# Altium PCB PCB3.PcbDoc (part 7 of 9) (continued)
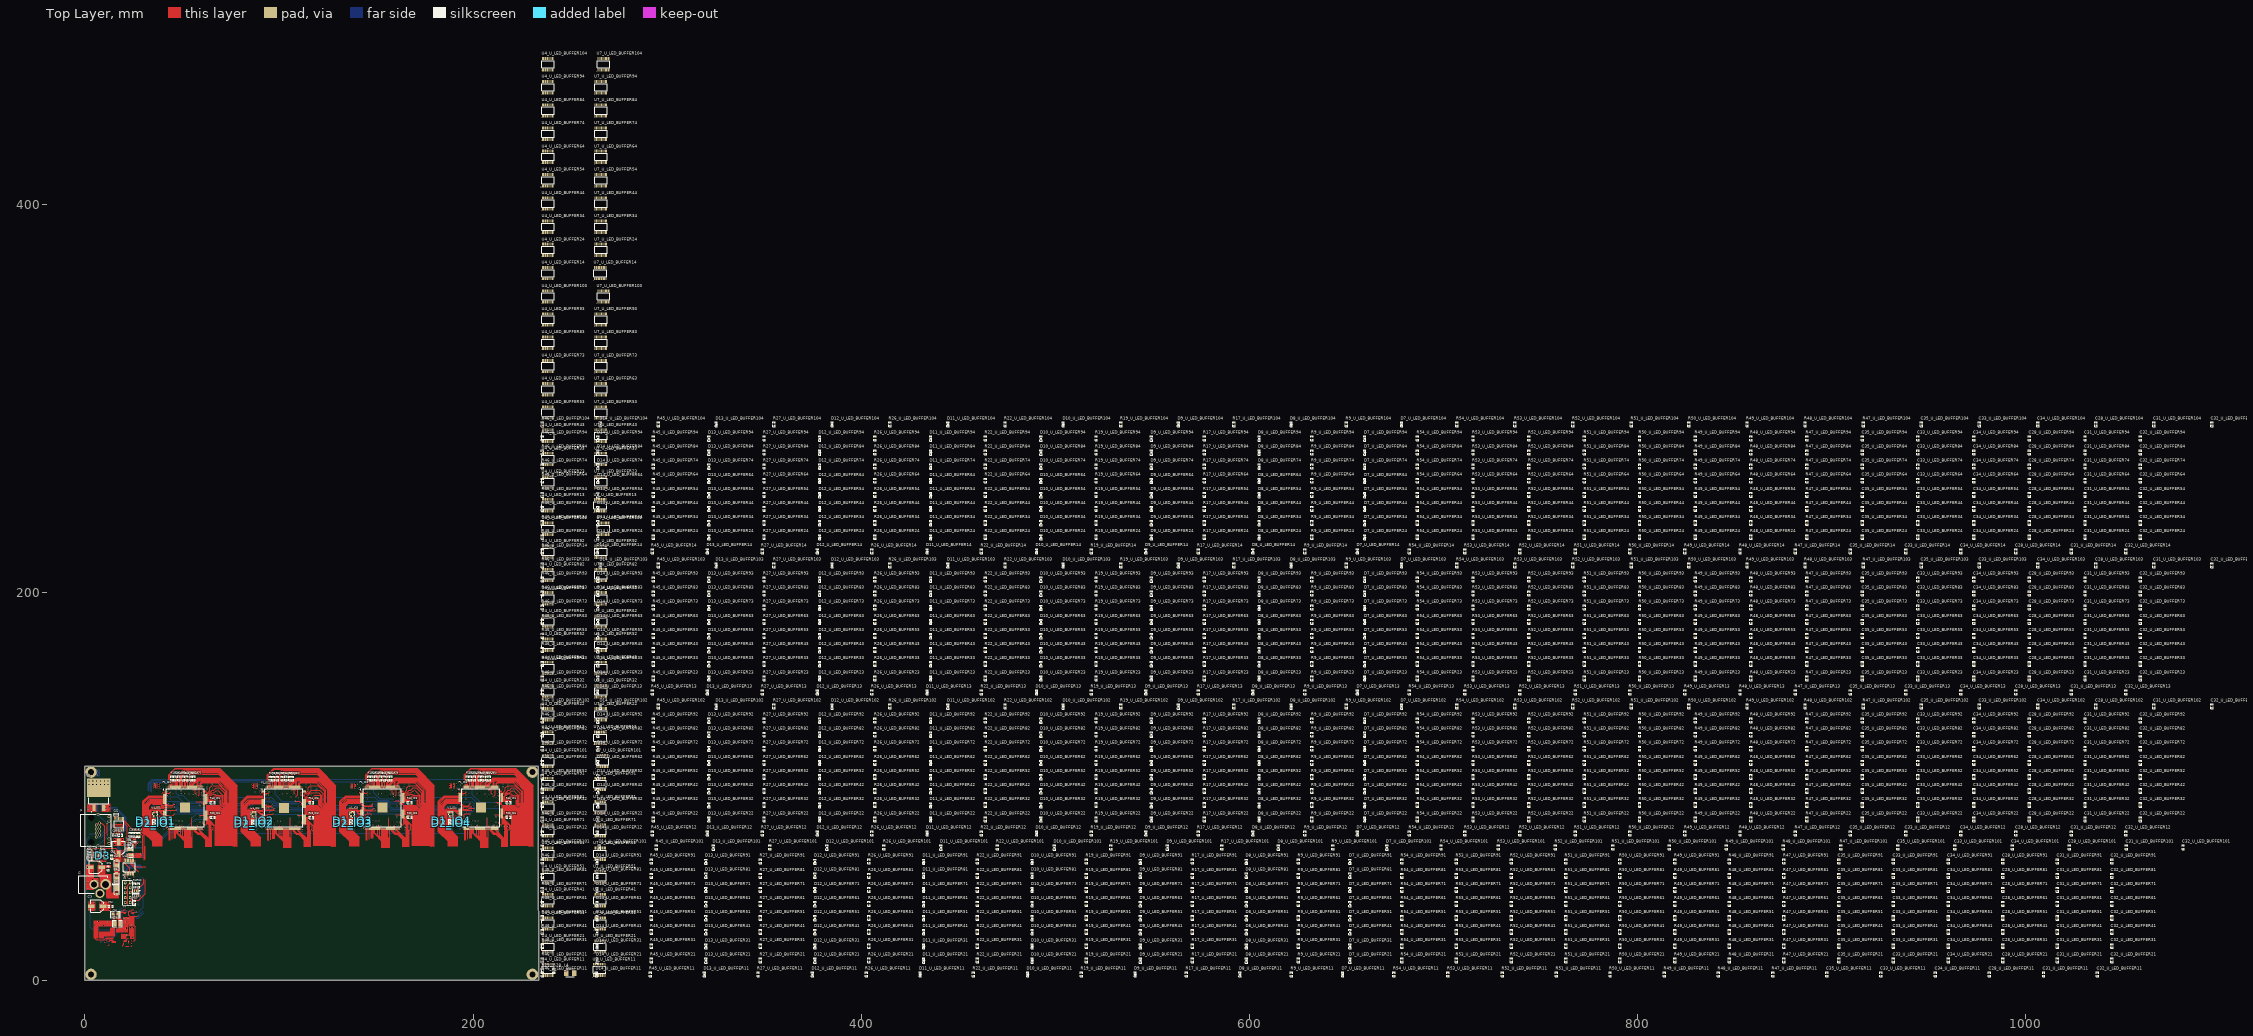
[diagram p0: Top Layer view]
## Nets (pads, with @x,y where several pads share a name; then routed paths per layer and width w, separated by ;. In a path a pad name is that pad's centre, name@x,y a point inside that pad or via, vN(x,y) a via of type N, cw(c..) or ccw(c..) an arc to the next point about the centre after c; other vN are vias at no path point) (continued)
NetD13_U_LED_BUFFER42_2: D13_U_LED_BUFFER42.2 R45_U_LED_BUFFER42.1
NetD13_U_LED_BUFFER43_2: D13_U_LED_BUFFER43.2 R45_U_LED_BUFFER43.1
NetD13_U_LED_BUFFER44_2: D13_U_LED_BUFFER44.2 R45_U_LED_BUFFER44.1
NetD13_U_LED_BUFFER51_2: D13_U_LED_BUFFER51.2 R45_U_LED_BUFFER51.1
NetD13_U_LED_BUFFER52_2: D13_U_LED_BUFFER52.2 R45_U_LED_BUFFER52.1
NetD13_U_LED_BUFFER53_2: D13_U_LED_BUFFER53.2 R45_U_LED_BUFFER53.1
NetD13_U_LED_BUFFER54_2: D13_U_LED_BUFFER54.2 R45_U_LED_BUFFER54.1
NetD13_U_LED_BUFFER61_2: D13_U_LED_BUFFER61.2 R45_U_LED_BUFFER61.1
NetD13_U_LED_BUFFER62_2: D13_U_LED_BUFFER62.2 R45_U_LED_BUFFER62.1
NetD13_U_LED_BUFFER63_2: D13_U_LED_BUFFER63.2 R45_U_LED_BUFFER63.1
NetD13_U_LED_BUFFER64_2: D13_U_LED_BUFFER64.2 R45_U_LED_BUFFER64.1
NetD13_U_LED_BUFFER71_2: D13_U_LED_BUFFER71.2 R45_U_LED_BUFFER71.1
NetD13_U_LED_BUFFER72_2: D13_U_LED_BUFFER72.2 R45_U_LED_BUFFER72.1
NetD13_U_LED_BUFFER73_2: D13_U_LED_BUFFER73.2 R45_U_LED_BUFFER73.1
NetD13_U_LED_BUFFER74_2: D13_U_LED_BUFFER74.2 R45_U_LED_BUFFER74.1
NetD13_U_LED_BUFFER81_2: D13_U_LED_BUFFER81.2 R45_U_LED_BUFFER81.1
NetD13_U_LED_BUFFER82_2: D13_U_LED_BUFFER82.2 R45_U_LED_BUFFER82.1
NetD13_U_LED_BUFFER83_2: D13_U_LED_BUFFER83.2 R45_U_LED_BUFFER83.1
NetD13_U_LED_BUFFER84_2: D13_U_LED_BUFFER84.2 R45_U_LED_BUFFER84.1
NetD13_U_LED_BUFFER91_2: D13_U_LED_BUFFER91.2 R45_U_LED_BUFFER91.1
NetD13_U_LED_BUFFER92_2: D13_U_LED_BUFFER92.2 R45_U_LED_BUFFER92.1
NetD13_U_LED_BUFFER93_2: D13_U_LED_BUFFER93.2 R45_U_LED_BUFFER93.1
NetD13_U_LED_BUFFER94_2: D13_U_LED_BUFFER94.2 R45_U_LED_BUFFER94.1
NetD13_U_LED_BUFFER101_2: D13_U_LED_BUFFER101.2 R45_U_LED_BUFFER101.1
NetD13_U_LED_BUFFER102_2: D13_U_LED_BUFFER102.2 R45_U_LED_BUFFER102.1
NetD13_U_LED_BUFFER103_2: D13_U_LED_BUFFER103.2 R45_U_LED_BUFFER103.1
NetD13_U_LED_BUFFER104_2: D13_U_LED_BUFFER104.2 R45_U_LED_BUFFER104.1
NetD14_U_LED_BUFFER11_2: D14_U_LED_BUFFER11.2 R46_U_LED_BUFFER11.1
NetD14_U_LED_BUFFER12_2: D14_U_LED_BUFFER12.2 R46_U_LED_BUFFER12.1
NetD14_U_LED_BUFFER13_2: D14_U_LED_BUFFER13.2 R46_U_LED_BUFFER13.1
NetD14_U_LED_BUFFER14_2: D14_U_LED_BUFFER14.2 R46_U_LED_BUFFER14.1
NetD14_U_LED_BUFFER21_2: D14_U_LED_BUFFER21.2 R46_U_LED_BUFFER21.1
NetD14_U_LED_BUFFER22_2: D14_U_LED_BUFFER22.2 R46_U_LED_BUFFER22.1
NetD14_U_LED_BUFFER23_2: D14_U_LED_BUFFER23.2 R46_U_LED_BUFFER23.1
NetD14_U_LED_BUFFER24_2: D14_U_LED_BUFFER24.2 R46_U_LED_BUFFER24.1
NetD14_U_LED_BUFFER31_2: D14_U_LED_BUFFER31.2 R46_U_LED_BUFFER31.1
NetD14_U_LED_BUFFER32_2: D14_U_LED_BUFFER32.2 R46_U_LED_BUFFER32.1
NetD14_U_LED_BUFFER33_2: D14_U_LED_BUFFER33.2 R46_U_LED_BUFFER33.1
NetD14_U_LED_BUFFER34_2: D14_U_LED_BUFFER34.2 R46_U_LED_BUFFER34.1
NetD14_U_LED_BUFFER41_2: D14_U_LED_BUFFER41.2 R46_U_LED_BUFFER41.1
NetD14_U_LED_BUFFER42_2: D14_U_LED_BUFFER42.2 R46_U_LED_BUFFER42.1
NetD14_U_LED_BUFFER43_2: D14_U_LED_BUFFER43.2 R46_U_LED_BUFFER43.1
NetD14_U_LED_BUFFER44_2: D14_U_LED_BUFFER44.2 R46_U_LED_BUFFER44.1
NetD14_U_LED_BUFFER51_2: D14_U_LED_BUFFER51.2 R46_U_LED_BUFFER51.1
NetD14_U_LED_BUFFER52_2: D14_U_LED_BUFFER52.2 R46_U_LED_BUFFER52.1
NetD14_U_LED_BUFFER53_2: D14_U_LED_BUFFER53.2 R46_U_LED_BUFFER53.1
NetD14_U_LED_BUFFER54_2: D14_U_LED_BUFFER54.2 R46_U_LED_BUFFER54.1
NetD14_U_LED_BUFFER61_2: D14_U_LED_BUFFER61.2 R46_U_LED_BUFFER61.1
NetD14_U_LED_BUFFER62_2: D14_U_LED_BUFFER62.2 R46_U_LED_BUFFER62.1
NetD14_U_LED_BUFFER63_2: D14_U_LED_BUFFER63.2 R46_U_LED_BUFFER63.1
NetD14_U_LED_BUFFER64_2: D14_U_LED_BUFFER64.2 R46_U_LED_BUFFER64.1
NetD14_U_LED_BUFFER71_2: D14_U_LED_BUFFER71.2 R46_U_LED_BUFFER71.1
NetD14_U_LED_BUFFER72_2: D14_U_LED_BUFFER72.2 R46_U_LED_BUFFER72.1
NetD14_U_LED_BUFFER73_2: D14_U_LED_BUFFER73.2 R46_U_LED_BUFFER73.1
NetD14_U_LED_BUFFER74_2: D14_U_LED_BUFFER74.2 R46_U_LED_BUFFER74.1
NetD14_U_LED_BUFFER81_2: D14_U_LED_BUFFER81.2 R46_U_LED_BUFFER81.1
NetD14_U_LED_BUFFER82_2: D14_U_LED_BUFFER82.2 R46_U_LED_BUFFER82.1
NetD14_U_LED_BUFFER83_2: D14_U_LED_BUFFER83.2 R46_U_LED_BUFFER83.1
NetD14_U_LED_BUFFER84_2: D14_U_LED_BUFFER84.2 R46_U_LED_BUFFER84.1
NetD14_U_LED_BUFFER91_2: D14_U_LED_BUFFER91.2 R46_U_LED_BUFFER91.1
NetD14_U_LED_BUFFER92_2: D14_U_LED_BUFFER92.2 R46_U_LED_BUFFER92.1
NetD14_U_LED_BUFFER93_2: D14_U_LED_BUFFER93.2 R46_U_LED_BUFFER93.1
NetD14_U_LED_BUFFER94_2: D14_U_LED_BUFFER94.2 R46_U_LED_BUFFER94.1
NetD14_U_LED_BUFFER101_2: D14_U_LED_BUFFER101.2 R46_U_LED_BUFFER101.1
NetD14_U_LED_BUFFER102_2: D14_U_LED_BUFFER102.2 R46_U_LED_BUFFER102.1
NetD14_U_LED_BUFFER103_2: D14_U_LED_BUFFER103.2 R46_U_LED_BUFFER103.1
NetD14_U_LED_BUFFER104_2: D14_U_LED_BUFFER104.2 R46_U_LED_BUFFER104.1
NetP1_IO1_15: P1_IO1.15 R1_IO1.2 | length 2.2
  Top Layer w0.254: P1_IO1.15@40.944,90.769 42.667,90.769 42.937,91.039 v1(42.994,91.039)
NetP1_IO1_121: P1_IO1.121 R7_IO1.2 | length 4.4
  Top Layer w0.254: P1_IO1.121@54.432,99.757 54.432,101.511 56.311,103.389 R7_IO1.2@56.323,103.389
NetP1_IO1_122: P1_IO1.122 R6_IO1.2 | length 4
  Top Layer w0.254: P1_IO1.122@53.932,99.757 53.932,101.858 54.799,102.725 R6_IO1.2@54.799,103.389
NetP1_IO1_126: P1_IO1.126 R13_IO1.2 | length 4
  Top Layer w0.254: P1_IO1.126@51.932,99.757 51.95,99.775 51.95,101.931 52.742,102.723 R13_IO1.2@52.742,103.44
NetP1_IO1_129: P1_IO1.129 R5_IO1.2 | length 3.8
  Top Layer w0.254: P1_IO1.129@50.432,99.757 50.432,102.959 R5_IO1.2@50.862,103.389
NetP1_IO1_134: P1_IO1.134 R4_IO1.2 | length 3.8
  Top Layer w0.254: P1_IO1.134@47.932,99.757 47.932,102.923 R4_IO1.2@48.399,103.389
NetP1_IO1_136: P1_IO1.136 R3_IO1.2 | length 3.9
  Top Layer w0.254: R3_IO1.2@46.341,103.389 46.932,102.799 P1_IO1.136@46.932,99.757
NetP1_IO1_138: P1_IO1.138 R2_IO1.2 | length 4.1
  Top Layer w0.254: R2_IO1.2@44.817,103.389 45.932,102.275 P1_IO1.138@45.932,99.757
NetP1_IO2_15: P1_IO2.15 R1_IO2.2 | length 1.6
  Top Layer w0.254: P1_IO2.15@91.772,90.703 93.34,90.703 v1(93.385,90.748)
NetP1_IO2_121: P1_IO2.121 R7_IO2.2 | length 4.4
  Top Layer w0.254: P1_IO2.121@105.26,99.691 105.26,101.445 107.139,103.323 R7_IO2.2@107.151,103.323
NetP1_IO2_122: P1_IO2.122 R6_IO2.2 | length 4
  Top Layer w0.254: P1_IO2.122@104.76,99.691 104.76,101.792 105.627,102.659 R6_IO2.2@105.627,103.323
NetP1_IO2_126: P1_IO2.126 R13_IO2.2 | length 4
  Top Layer w0.254: P1_IO2.126@102.76,99.691 102.778,99.709 102.778,102.115 103.424,102.761 103.424,103.228 R13_IO2.2@103.57,103.374
NetP1_IO2_129: P1_IO2.129 R5_IO2.2 | length 3.8
  Top Layer w0.254: P1_IO2.129@101.26,99.691 101.26,102.893 R5_IO2.2@101.69,103.323
NetP1_IO2_134: P1_IO2.134 R4_IO2.2 | length 3.8
  Top Layer w0.254: P1_IO2.134@98.76,99.691 98.76,102.857 R4_IO2.2@99.227,103.323
NetP1_IO2_136: P1_IO2.136 R3_IO2.2 | length 3.9
  Top Layer w0.254: R3_IO2.2@97.169,103.323 97.76,102.733 P1_IO2.136@97.76,99.691
NetP1_IO2_138: P1_IO2.138 R2_IO2.2 | length 4.1
  Top Layer w0.254: R2_IO2.2@95.645,103.323 96.76,102.209 P1_IO2.138@96.76,99.691
NetP1_IO3_15: P1_IO3.15 R1_IO3.2 | length 1.6
  Top Layer w0.254: P1_IO3.15@142.493,90.791 144.061,90.791 v1(144.106,90.835)
NetP1_IO3_121: P1_IO3.121 R7_IO3.2 | length 4.4
  Top Layer w0.254: P1_IO3.121@155.981,99.779 155.981,101.532 157.86,103.411 R7_IO3.2@157.873,103.411
NetP1_IO3_122: P1_IO3.122 R6_IO3.2 | length 4
  Top Layer w0.254: P1_IO3.122@155.481,99.779 155.481,101.88 156.349,102.747 R6_IO3.2@156.349,103.411
NetP1_IO3_126: P1_IO3.126 R13_IO3.2 | length 4
  Top Layer w0.254: P1_IO3.126@153.481,99.779 153.499,99.797 153.499,101.953 154.291,102.745 R13_IO3.2@154.291,103.462
NetP1_IO3_129: P1_IO3.129 R5_IO3.2 | length 3.8
  Top Layer w0.254: P1_IO3.129@151.981,99.779 151.981,102.981 R5_IO3.2@152.412,103.411
NetP1_IO3_134: P1_IO3.134 R4_IO3.2 | length 3.8
  Top Layer w0.254: P1_IO3.134@149.481,99.779 149.481,102.944 R4_IO3.2@149.948,103.411
NetP1_IO3_136: P1_IO3.136 R3_IO3.2 | length 3.9
  Top Layer w0.254: R3_IO3.2@147.89,103.411 148.481,102.82 P1_IO3.136@148.481,99.779
NetP1_IO3_138: P1_IO3.138 R2_IO3.2 | length 4.1
  Top Layer w0.254: R2_IO3.2@146.366,103.411 147.481,102.296 P1_IO3.138@147.481,99.779
NetP1_IO4_15: P1_IO4.15 R1_IO4.2 | length 1.6
  Top Layer w0.254: P1_IO4.15@193.369,90.795 194.938,90.795 v1(194.982,90.839)
NetP1_IO4_121: P1_IO4.121 R7_IO4.2 | length 4.4
  Top Layer w0.254: P1_IO4.121@206.857,99.783 206.857,101.536 208.736,103.415 R7_IO4.2@208.749,103.415
NetP1_IO4_122: P1_IO4.122 R6_IO4.2 | length 4
  Top Layer w0.254: P1_IO4.122@206.357,99.783 206.357,101.883 207.225,102.751 R6_IO4.2@207.225,103.415
NetP1_IO4_126: P1_IO4.126 R13_IO4.2 | length 4
  Top Layer w0.254: P1_IO4.126@204.357,99.783 204.375,99.8 204.375,101.957 205.167,102.749 R13_IO4.2@205.167,103.466
NetP1_IO4_129: P1_IO4.129 R5_IO4.2 | length 3.8
  Top Layer w0.254: P1_IO4.129@202.857,99.783 202.857,102.984 R5_IO4.2@203.288,103.415
NetP1_IO4_134: P1_IO4.134 R4_IO4.2 | length 3.8
  Top Layer w0.254: P1_IO4.134@200.357,99.783 200.357,102.948 R4_IO4.2@200.824,103.415
NetP1_IO4_136: P1_IO4.136 R3_IO4.2 | length 3.9
  Top Layer w0.254: R3_IO4.2@198.767,103.415 199.357,102.824 P1_IO4.136@199.357,99.783
NetP1_IO4_138: P1_IO4.138 R2_IO4.2 | length 4.1
  Top Layer w0.254: R2_IO4.2@197.243,103.415 198.357,102.3 P1_IO4.138@198.357,99.783
NetR15_1: R15.1 U3.6 | length 2.1
  Top Layer w0.305: R15.1@24.997,74.324 24.997,73.967 25.671,73.293 U3.6@25.671,72.464
NetR16_1: R16.1 U3.5 | length 2
  Top Layer w0.305: U3.5@26.171,72.464 26.171,74.098 R16.1@26.397,74.324
NetR28_2: R28.2 U3.8 | length 4
  Top Layer w0.305: U3.8@24.671,72.464 24.67,72.463 24.67,71.831 24.987,71.514 27.713,71.514 27.815,71.413
NetR35_2: R35.2 R38.2 U5.5 | length 1.2
  Top Layer w0.178: v1(3.846,64.179) 4.313,64.646 U5.5@4.829,64.646
NetR36_1: R36.1 R39.1 U5.6 | length 1.8
  Top Layer w0.178: v1(3.807,62.751) 4.829,63.772 U5.6@4.829,64.146
NetR40_1: R40.1 U5.10 | length 1.7
  Top Layer w0.178: U5.10@7.129,64.646 7.501,64.646 R40.1@8.423,65.567
NetR41_2: R41.2 R43.2 U5.4 | length 1.2
  Top Layer w0.178: v1(3.841,65.581) 4.276,65.146 U5.4@4.829,65.146
NetR42_1: R42.1 R44.1 U5.3 | length 1.7
  Top Layer w0.178: v1(3.894,66.952) 4.829,66.018 U5.3@4.829,65.646
NetR47_U_LED_BUFFER11_1: R47_U_LED_BUFFER11.1 U4_U_LED_BUFFER11.1
NetR47_U_LED_BUFFER12_1: R47_U_LED_BUFFER12.1 U4_U_LED_BUFFER12.1
NetR47_U_LED_BUFFER13_1: R47_U_LED_BUFFER13.1 U4_U_LED_BUFFER13.1
NetR47_U_LED_BUFFER14_1: R47_U_LED_BUFFER14.1 U4_U_LED_BUFFER14.1
NetR47_U_LED_BUFFER21_1: R47_U_LED_BUFFER21.1 U4_U_LED_BUFFER21.1
NetR47_U_LED_BUFFER22_1: R47_U_LED_BUFFER22.1 U4_U_LED_BUFFER22.1
NetR47_U_LED_BUFFER23_1: R47_U_LED_BUFFER23.1 U4_U_LED_BUFFER23.1
NetR47_U_LED_BUFFER24_1: R47_U_LED_BUFFER24.1 U4_U_LED_BUFFER24.1
NetR47_U_LED_BUFFER31_1: R47_U_LED_BUFFER31.1 U4_U_LED_BUFFER31.1
NetR47_U_LED_BUFFER32_1: R47_U_LED_BUFFER32.1 U4_U_LED_BUFFER32.1
NetR47_U_LED_BUFFER33_1: R47_U_LED_BUFFER33.1 U4_U_LED_BUFFER33.1
NetR47_U_LED_BUFFER34_1: R47_U_LED_BUFFER34.1 U4_U_LED_BUFFER34.1
NetR47_U_LED_BUFFER41_1: R47_U_LED_BUFFER41.1 U4_U_LED_BUFFER41.1
NetR47_U_LED_BUFFER42_1: R47_U_LED_BUFFER42.1 U4_U_LED_BUFFER42.1
NetR47_U_LED_BUFFER43_1: R47_U_LED_BUFFER43.1 U4_U_LED_BUFFER43.1
NetR47_U_LED_BUFFER44_1: R47_U_LED_BUFFER44.1 U4_U_LED_BUFFER44.1
NetR47_U_LED_BUFFER51_1: R47_U_LED_BUFFER51.1 U4_U_LED_BUFFER51.1
NetR47_U_LED_BUFFER52_1: R47_U_LED_BUFFER52.1 U4_U_LED_BUFFER52.1
NetR47_U_LED_BUFFER53_1: R47_U_LED_BUFFER53.1 U4_U_LED_BUFFER53.1
NetR47_U_LED_BUFFER54_1: R47_U_LED_BUFFER54.1 U4_U_LED_BUFFER54.1
NetR47_U_LED_BUFFER61_1: R47_U_LED_BUFFER61.1 U4_U_LED_BUFFER61.1
NetR47_U_LED_BUFFER62_1: R47_U_LED_BUFFER62.1 U4_U_LED_BUFFER62.1
NetR47_U_LED_BUFFER63_1: R47_U_LED_BUFFER63.1 U4_U_LED_BUFFER63.1
NetR47_U_LED_BUFFER64_1: R47_U_LED_BUFFER64.1 U4_U_LED_BUFFER64.1
NetR47_U_LED_BUFFER71_1: R47_U_LED_BUFFER71.1 U4_U_LED_BUFFER71.1
NetR47_U_LED_BUFFER72_1: R47_U_LED_BUFFER72.1 U4_U_LED_BUFFER72.1
NetR47_U_LED_BUFFER73_1: R47_U_LED_BUFFER73.1 U4_U_LED_BUFFER73.1
NetR47_U_LED_BUFFER74_1: R47_U_LED_BUFFER74.1 U4_U_LED_BUFFER74.1
NetR47_U_LED_BUFFER81_1: R47_U_LED_BUFFER81.1 U4_U_LED_BUFFER81.1
NetR47_U_LED_BUFFER82_1: R47_U_LED_BUFFER82.1 U4_U_LED_BUFFER82.1
NetR47_U_LED_BUFFER83_1: R47_U_LED_BUFFER83.1 U4_U_LED_BUFFER83.1
NetR47_U_LED_BUFFER84_1: R47_U_LED_BUFFER84.1 U4_U_LED_BUFFER84.1
NetR47_U_LED_BUFFER91_1: R47_U_LED_BUFFER91.1 U4_U_LED_BUFFER91.1
NetR47_U_LED_BUFFER92_1: R47_U_LED_BUFFER92.1 U4_U_LED_BUFFER92.1
NetR47_U_LED_BUFFER93_1: R47_U_LED_BUFFER93.1 U4_U_LED_BUFFER93.1
NetR47_U_LED_BUFFER94_1: R47_U_LED_BUFFER94.1 U4_U_LED_BUFFER94.1
NetR47_U_LED_BUFFER101_1: R47_U_LED_BUFFER101.1 U4_U_LED_BUFFER101.1
NetR47_U_LED_BUFFER102_1: R47_U_LED_BUFFER102.1 U4_U_LED_BUFFER102.1
NetR47_U_LED_BUFFER103_1: R47_U_LED_BUFFER103.1 U4_U_LED_BUFFER103.1
NetR47_U_LED_BUFFER104_1: R47_U_LED_BUFFER104.1 U4_U_LED_BUFFER104.1
NetR48_U_LED_BUFFER11_1: R48_U_LED_BUFFER11.1 U4_U_LED_BUFFER11.3
NetR48_U_LED_BUFFER12_1: R48_U_LED_BUFFER12.1 U4_U_LED_BUFFER12.3
NetR48_U_LED_BUFFER13_1: R48_U_LED_BUFFER13.1 U4_U_LED_BUFFER13.3
NetR48_U_LED_BUFFER14_1: R48_U_LED_BUFFER14.1 U4_U_LED_BUFFER14.3
NetR48_U_LED_BUFFER21_1: R48_U_LED_BUFFER21.1 U4_U_LED_BUFFER21.3
NetR48_U_LED_BUFFER22_1: R48_U_LED_BUFFER22.1 U4_U_LED_BUFFER22.3
NetR48_U_LED_BUFFER23_1: R48_U_LED_BUFFER23.1 U4_U_LED_BUFFER23.3
NetR48_U_LED_BUFFER24_1: R48_U_LED_BUFFER24.1 U4_U_LED_BUFFER24.3
NetR48_U_LED_BUFFER31_1: R48_U_LED_BUFFER31.1 U4_U_LED_BUFFER31.3
NetR48_U_LED_BUFFER32_1: R48_U_LED_BUFFER32.1 U4_U_LED_BUFFER32.3
NetR48_U_LED_BUFFER33_1: R48_U_LED_BUFFER33.1 U4_U_LED_BUFFER33.3
NetR48_U_LED_BUFFER34_1: R48_U_LED_BUFFER34.1 U4_U_LED_BUFFER34.3
NetR48_U_LED_BUFFER41_1: R48_U_LED_BUFFER41.1 U4_U_LED_BUFFER41.3
NetR48_U_LED_BUFFER42_1: R48_U_LED_BUFFER42.1 U4_U_LED_BUFFER42.3
NetR48_U_LED_BUFFER43_1: R48_U_LED_BUFFER43.1 U4_U_LED_BUFFER43.3
NetR48_U_LED_BUFFER44_1: R48_U_LED_BUFFER44.1 U4_U_LED_BUFFER44.3
NetR48_U_LED_BUFFER51_1: R48_U_LED_BUFFER51.1 U4_U_LED_BUFFER51.3
NetR48_U_LED_BUFFER52_1: R48_U_LED_BUFFER52.1 U4_U_LED_BUFFER52.3
NetR48_U_LED_BUFFER53_1: R48_U_LED_BUFFER53.1 U4_U_LED_BUFFER53.3
NetR48_U_LED_BUFFER54_1: R48_U_LED_BUFFER54.1 U4_U_LED_BUFFER54.3
NetR48_U_LED_BUFFER61_1: R48_U_LED_BUFFER61.1 U4_U_LED_BUFFER61.3
NetR48_U_LED_BUFFER62_1: R48_U_LED_BUFFER62.1 U4_U_LED_BUFFER62.3
NetR48_U_LED_BUFFER63_1: R48_U_LED_BUFFER63.1 U4_U_LED_BUFFER63.3
NetR48_U_LED_BUFFER64_1: R48_U_LED_BUFFER64.1 U4_U_LED_BUFFER64.3
NetR48_U_LED_BUFFER71_1: R48_U_LED_BUFFER71.1 U4_U_LED_BUFFER71.3
NetR48_U_LED_BUFFER72_1: R48_U_LED_BUFFER72.1 U4_U_LED_BUFFER72.3
NetR48_U_LED_BUFFER73_1: R48_U_LED_BUFFER73.1 U4_U_LED_BUFFER73.3
NetR48_U_LED_BUFFER74_1: R48_U_LED_BUFFER74.1 U4_U_LED_BUFFER74.3
NetR48_U_LED_BUFFER81_1: R48_U_LED_BUFFER81.1 U4_U_LED_BUFFER81.3
NetR48_U_LED_BUFFER82_1: R48_U_LED_BUFFER82.1 U4_U_LED_BUFFER82.3
NetR48_U_LED_BUFFER83_1: R48_U_LED_BUFFER83.1 U4_U_LED_BUFFER83.3
NetR48_U_LED_BUFFER84_1: R48_U_LED_BUFFER84.1 U4_U_LED_BUFFER84.3
NetR48_U_LED_BUFFER91_1: R48_U_LED_BUFFER91.1 U4_U_LED_BUFFER91.3
NetR48_U_LED_BUFFER92_1: R48_U_LED_BUFFER92.1 U4_U_LED_BUFFER92.3
NetR48_U_LED_BUFFER93_1: R48_U_LED_BUFFER93.1 U4_U_LED_BUFFER93.3
NetR48_U_LED_BUFFER94_1: R48_U_LED_BUFFER94.1 U4_U_LED_BUFFER94.3
NetR48_U_LED_BUFFER101_1: R48_U_LED_BUFFER101.1 U4_U_LED_BUFFER101.3
NetR48_U_LED_BUFFER102_1: R48_U_LED_BUFFER102.1 U4_U_LED_BUFFER102.3
NetR48_U_LED_BUFFER103_1: R48_U_LED_BUFFER103.1 U4_U_LED_BUFFER103.3
NetR48_U_LED_BUFFER104_1: R48_U_LED_BUFFER104.1 U4_U_LED_BUFFER104.3
NetR49_U_LED_BUFFER11_1: R49_U_LED_BUFFER11.1 U4_U_LED_BUFFER11.4
NetR49_U_LED_BUFFER12_1: R49_U_LED_BUFFER12.1 U4_U_LED_BUFFER12.4
NetR49_U_LED_BUFFER13_1: R49_U_LED_BUFFER13.1 U4_U_LED_BUFFER13.4
NetR49_U_LED_BUFFER14_1: R49_U_LED_BUFFER14.1 U4_U_LED_BUFFER14.4
NetR49_U_LED_BUFFER21_1: R49_U_LED_BUFFER21.1 U4_U_LED_BUFFER21.4
NetR49_U_LED_BUFFER22_1: R49_U_LED_BUFFER22.1 U4_U_LED_BUFFER22.4
NetR49_U_LED_BUFFER23_1: R49_U_LED_BUFFER23.1 U4_U_LED_BUFFER23.4
NetR49_U_LED_BUFFER24_1: R49_U_LED_BUFFER24.1 U4_U_LED_BUFFER24.4
NetR49_U_LED_BUFFER31_1: R49_U_LED_BUFFER31.1 U4_U_LED_BUFFER31.4
NetR49_U_LED_BUFFER32_1: R49_U_LED_BUFFER32.1 U4_U_LED_BUFFER32.4
NetR49_U_LED_BUFFER33_1: R49_U_LED_BUFFER33.1 U4_U_LED_BUFFER33.4
NetR49_U_LED_BUFFER34_1: R49_U_LED_BUFFER34.1 U4_U_LED_BUFFER34.4
NetR49_U_LED_BUFFER41_1: R49_U_LED_BUFFER41.1 U4_U_LED_BUFFER41.4
NetR49_U_LED_BUFFER42_1: R49_U_LED_BUFFER42.1 U4_U_LED_BUFFER42.4
NetR49_U_LED_BUFFER43_1: R49_U_LED_BUFFER43.1 U4_U_LED_BUFFER43.4
NetR49_U_LED_BUFFER44_1: R49_U_LED_BUFFER44.1 U4_U_LED_BUFFER44.4
NetR49_U_LED_BUFFER51_1: R49_U_LED_BUFFER51.1 U4_U_LED_BUFFER51.4
NetR49_U_LED_BUFFER52_1: R49_U_LED_BUFFER52.1 U4_U_LED_BUFFER52.4
NetR49_U_LED_BUFFER53_1: R49_U_LED_BUFFER53.1 U4_U_LED_BUFFER53.4
NetR49_U_LED_BUFFER54_1: R49_U_LED_BUFFER54.1 U4_U_LED_BUFFER54.4
NetR49_U_LED_BUFFER61_1: R49_U_LED_BUFFER61.1 U4_U_LED_BUFFER61.4
NetR49_U_LED_BUFFER62_1: R49_U_LED_BUFFER62.1 U4_U_LED_BUFFER62.4
NetR49_U_LED_BUFFER63_1: R49_U_LED_BUFFER63.1 U4_U_LED_BUFFER63.4
NetR49_U_LED_BUFFER64_1: R49_U_LED_BUFFER64.1 U4_U_LED_BUFFER64.4
NetR49_U_LED_BUFFER71_1: R49_U_LED_BUFFER71.1 U4_U_LED_BUFFER71.4
NetR49_U_LED_BUFFER72_1: R49_U_LED_BUFFER72.1 U4_U_LED_BUFFER72.4
NetR49_U_LED_BUFFER73_1: R49_U_LED_BUFFER73.1 U4_U_LED_BUFFER73.4
NetR49_U_LED_BUFFER74_1: R49_U_LED_BUFFER74.1 U4_U_LED_BUFFER74.4
NetR49_U_LED_BUFFER81_1: R49_U_LED_BUFFER81.1 U4_U_LED_BUFFER81.4
NetR49_U_LED_BUFFER82_1: R49_U_LED_BUFFER82.1 U4_U_LED_BUFFER82.4
NetR49_U_LED_BUFFER83_1: R49_U_LED_BUFFER83.1 U4_U_LED_BUFFER83.4
NetR49_U_LED_BUFFER84_1: R49_U_LED_BUFFER84.1 U4_U_LED_BUFFER84.4
NetR49_U_LED_BUFFER91_1: R49_U_LED_BUFFER91.1 U4_U_LED_BUFFER91.4
NetR49_U_LED_BUFFER92_1: R49_U_LED_BUFFER92.1 U4_U_LED_BUFFER92.4
NetR49_U_LED_BUFFER93_1: R49_U_LED_BUFFER93.1 U4_U_LED_BUFFER93.4
NetR49_U_LED_BUFFER94_1: R49_U_LED_BUFFER94.1 U4_U_LED_BUFFER94.4
NetR49_U_LED_BUFFER101_1: R49_U_LED_BUFFER101.1 U4_U_LED_BUFFER101.4
NetR49_U_LED_BUFFER102_1: R49_U_LED_BUFFER102.1 U4_U_LED_BUFFER102.4
NetR49_U_LED_BUFFER103_1: R49_U_LED_BUFFER103.1 U4_U_LED_BUFFER103.4
NetR49_U_LED_BUFFER104_1: R49_U_LED_BUFFER104.1 U4_U_LED_BUFFER104.4
NetR50_U_LED_BUFFER11_1: R50_U_LED_BUFFER11.1 U4_U_LED_BUFFER11.5
NetR50_U_LED_BUFFER12_1: R50_U_LED_BUFFER12.1 U4_U_LED_BUFFER12.5
NetR50_U_LED_BUFFER13_1: R50_U_LED_BUFFER13.1 U4_U_LED_BUFFER13.5
NetR50_U_LED_BUFFER14_1: R50_U_LED_BUFFER14.1 U4_U_LED_BUFFER14.5
NetR50_U_LED_BUFFER21_1: R50_U_LED_BUFFER21.1 U4_U_LED_BUFFER21.5
NetR50_U_LED_BUFFER22_1: R50_U_LED_BUFFER22.1 U4_U_LED_BUFFER22.5
NetR50_U_LED_BUFFER23_1: R50_U_LED_BUFFER23.1 U4_U_LED_BUFFER23.5
NetR50_U_LED_BUFFER24_1: R50_U_LED_BUFFER24.1 U4_U_LED_BUFFER24.5
NetR50_U_LED_BUFFER31_1: R50_U_LED_BUFFER31.1 U4_U_LED_BUFFER31.5
NetR50_U_LED_BUFFER32_1: R50_U_LED_BUFFER32.1 U4_U_LED_BUFFER32.5
NetR50_U_LED_BUFFER33_1: R50_U_LED_BUFFER33.1 U4_U_LED_BUFFER33.5
NetR50_U_LED_BUFFER34_1: R50_U_LED_BUFFER34.1 U4_U_LED_BUFFER34.5
NetR50_U_LED_BUFFER41_1: R50_U_LED_BUFFER41.1 U4_U_LED_BUFFER41.5
NetR50_U_LED_BUFFER42_1: R50_U_LED_BUFFER42.1 U4_U_LED_BUFFER42.5
NetR50_U_LED_BUFFER43_1: R50_U_LED_BUFFER43.1 U4_U_LED_BUFFER43.5
NetR50_U_LED_BUFFER44_1: R50_U_LED_BUFFER44.1 U4_U_LED_BUFFER44.5
NetR50_U_LED_BUFFER51_1: R50_U_LED_BUFFER51.1 U4_U_LED_BUFFER51.5
NetR50_U_LED_BUFFER52_1: R50_U_LED_BUFFER52.1 U4_U_LED_BUFFER52.5
NetR50_U_LED_BUFFER53_1: R50_U_LED_BUFFER53.1 U4_U_LED_BUFFER53.5
NetR50_U_LED_BUFFER54_1: R50_U_LED_BUFFER54.1 U4_U_LED_BUFFER54.5
NetR50_U_LED_BUFFER61_1: R50_U_LED_BUFFER61.1 U4_U_LED_BUFFER61.5
NetR50_U_LED_BUFFER62_1: R50_U_LED_BUFFER62.1 U4_U_LED_BUFFER62.5
NetR50_U_LED_BUFFER63_1: R50_U_LED_BUFFER63.1 U4_U_LED_BUFFER63.5
NetR50_U_LED_BUFFER64_1: R50_U_LED_BUFFER64.1 U4_U_LED_BUFFER64.5
NetR50_U_LED_BUFFER71_1: R50_U_LED_BUFFER71.1 U4_U_LED_BUFFER71.5
NetR50_U_LED_BUFFER72_1: R50_U_LED_BUFFER72.1 U4_U_LED_BUFFER72.5
NetR50_U_LED_BUFFER73_1: R50_U_LED_BUFFER73.1 U4_U_LED_BUFFER73.5
NetR50_U_LED_BUFFER74_1: R50_U_LED_BUFFER74.1 U4_U_LED_BUFFER74.5
NetR50_U_LED_BUFFER81_1: R50_U_LED_BUFFER81.1 U4_U_LED_BUFFER81.5
NetR50_U_LED_BUFFER82_1: R50_U_LED_BUFFER82.1 U4_U_LED_BUFFER82.5
NetR50_U_LED_BUFFER83_1: R50_U_LED_BUFFER83.1 U4_U_LED_BUFFER83.5
NetR50_U_LED_BUFFER84_1: R50_U_LED_BUFFER84.1 U4_U_LED_BUFFER84.5
NetR50_U_LED_BUFFER91_1: R50_U_LED_BUFFER91.1 U4_U_LED_BUFFER91.5
NetR50_U_LED_BUFFER92_1: R50_U_LED_BUFFER92.1 U4_U_LED_BUFFER92.5
NetR50_U_LED_BUFFER93_1: R50_U_LED_BUFFER93.1 U4_U_LED_BUFFER93.5
NetR50_U_LED_BUFFER94_1: R50_U_LED_BUFFER94.1 U4_U_LED_BUFFER94.5
NetR50_U_LED_BUFFER101_1: R50_U_LED_BUFFER101.1 U4_U_LED_BUFFER101.5
NetR50_U_LED_BUFFER102_1: R50_U_LED_BUFFER102.1 U4_U_LED_BUFFER102.5
NetR50_U_LED_BUFFER103_1: R50_U_LED_BUFFER103.1 U4_U_LED_BUFFER103.5
NetR50_U_LED_BUFFER104_1: R50_U_LED_BUFFER104.1 U4_U_LED_BUFFER104.5
NetR51_U_LED_BUFFER11_1: R51_U_LED_BUFFER11.1 U4_U_LED_BUFFER11.6
NetR51_U_LED_BUFFER12_1: R51_U_LED_BUFFER12.1 U4_U_LED_BUFFER12.6
NetR51_U_LED_BUFFER13_1: R51_U_LED_BUFFER13.1 U4_U_LED_BUFFER13.6
NetR51_U_LED_BUFFER14_1: R51_U_LED_BUFFER14.1 U4_U_LED_BUFFER14.6
NetR51_U_LED_BUFFER21_1: R51_U_LED_BUFFER21.1 U4_U_LED_BUFFER21.6
NetR51_U_LED_BUFFER22_1: R51_U_LED_BUFFER22.1 U4_U_LED_BUFFER22.6
NetR51_U_LED_BUFFER23_1: R51_U_LED_BUFFER23.1 U4_U_LED_BUFFER23.6
NetR51_U_LED_BUFFER24_1: R51_U_LED_BUFFER24.1 U4_U_LED_BUFFER24.6
NetR51_U_LED_BUFFER31_1: R51_U_LED_BUFFER31.1 U4_U_LED_BUFFER31.6
NetR51_U_LED_BUFFER32_1: R51_U_LED_BUFFER32.1 U4_U_LED_BUFFER32.6
NetR51_U_LED_BUFFER33_1: R51_U_LED_BUFFER33.1 U4_U_LED_BUFFER33.6
NetR51_U_LED_BUFFER34_1: R51_U_LED_BUFFER34.1 U4_U_LED_BUFFER34.6
NetR51_U_LED_BUFFER41_1: R51_U_LED_BUFFER41.1 U4_U_LED_BUFFER41.6
NetR51_U_LED_BUFFER42_1: R51_U_LED_BUFFER42.1 U4_U_LED_BUFFER42.6
NetR51_U_LED_BUFFER43_1: R51_U_LED_BUFFER43.1 U4_U_LED_BUFFER43.6
NetR51_U_LED_BUFFER44_1: R51_U_LED_BUFFER44.1 U4_U_LED_BUFFER44.6
NetR51_U_LED_BUFFER51_1: R51_U_LED_BUFFER51.1 U4_U_LED_BUFFER51.6
NetR51_U_LED_BUFFER52_1: R51_U_LED_BUFFER52.1 U4_U_LED_BUFFER52.6
NetR51_U_LED_BUFFER53_1: R51_U_LED_BUFFER53.1 U4_U_LED_BUFFER53.6
NetR51_U_LED_BUFFER54_1: R51_U_LED_BUFFER54.1 U4_U_LED_BUFFER54.6
NetR51_U_LED_BUFFER61_1: R51_U_LED_BUFFER61.1 U4_U_LED_BUFFER61.6
NetR51_U_LED_BUFFER62_1: R51_U_LED_BUFFER62.1 U4_U_LED_BUFFER62.6
NetR51_U_LED_BUFFER63_1: R51_U_LED_BUFFER63.1 U4_U_LED_BUFFER63.6
NetR51_U_LED_BUFFER64_1: R51_U_LED_BUFFER64.1 U4_U_LED_BUFFER64.6
NetR51_U_LED_BUFFER71_1: R51_U_LED_BUFFER71.1 U4_U_LED_BUFFER71.6
NetR51_U_LED_BUFFER72_1: R51_U_LED_BUFFER72.1 U4_U_LED_BUFFER72.6
NetR51_U_LED_BUFFER73_1: R51_U_LED_BUFFER73.1 U4_U_LED_BUFFER73.6
NetR51_U_LED_BUFFER74_1: R51_U_LED_BUFFER74.1 U4_U_LED_BUFFER74.6
NetR51_U_LED_BUFFER81_1: R51_U_LED_BUFFER81.1 U4_U_LED_BUFFER81.6
NetR51_U_LED_BUFFER82_1: R51_U_LED_BUFFER82.1 U4_U_LED_BUFFER82.6
NetR51_U_LED_BUFFER83_1: R51_U_LED_BUFFER83.1 U4_U_LED_BUFFER83.6
NetR51_U_LED_BUFFER84_1: R51_U_LED_BUFFER84.1 U4_U_LED_BUFFER84.6
NetR51_U_LED_BUFFER91_1: R51_U_LED_BUFFER91.1 U4_U_LED_BUFFER91.6
NetR51_U_LED_BUFFER92_1: R51_U_LED_BUFFER92.1 U4_U_LED_BUFFER92.6
NetR51_U_LED_BUFFER93_1: R51_U_LED_BUFFER93.1 U4_U_LED_BUFFER93.6
NetR51_U_LED_BUFFER94_1: R51_U_LED_BUFFER94.1 U4_U_LED_BUFFER94.6
NetR51_U_LED_BUFFER101_1: R51_U_LED_BUFFER101.1 U4_U_LED_BUFFER101.6
NetR51_U_LED_BUFFER102_1: R51_U_LED_BUFFER102.1 U4_U_LED_BUFFER102.6
NetR51_U_LED_BUFFER103_1: R51_U_LED_BUFFER103.1 U4_U_LED_BUFFER103.6
NetR51_U_LED_BUFFER104_1: R51_U_LED_BUFFER104.1 U4_U_LED_BUFFER104.6
NetR52_U_LED_BUFFER11_1: R52_U_LED_BUFFER11.1 U4_U_LED_BUFFER11.7
NetR52_U_LED_BUFFER12_1: R52_U_LED_BUFFER12.1 U4_U_LED_BUFFER12.7
NetR52_U_LED_BUFFER13_1: R52_U_LED_BUFFER13.1 U4_U_LED_BUFFER13.7
NetR52_U_LED_BUFFER14_1: R52_U_LED_BUFFER14.1 U4_U_LED_BUFFER14.7
NetR52_U_LED_BUFFER21_1: R52_U_LED_BUFFER21.1 U4_U_LED_BUFFER21.7
NetR52_U_LED_BUFFER22_1: R52_U_LED_BUFFER22.1 U4_U_LED_BUFFER22.7
NetR52_U_LED_BUFFER23_1: R52_U_LED_BUFFER23.1 U4_U_LED_BUFFER23.7
NetR52_U_LED_BUFFER24_1: R52_U_LED_BUFFER24.1 U4_U_LED_BUFFER24.7
NetR52_U_LED_BUFFER31_1: R52_U_LED_BUFFER31.1 U4_U_LED_BUFFER31.7
NetR52_U_LED_BUFFER32_1: R52_U_LED_BUFFER32.1 U4_U_LED_BUFFER32.7
NetR52_U_LED_BUFFER33_1: R52_U_LED_BUFFER33.1 U4_U_LED_BUFFER33.7
NetR52_U_LED_BUFFER34_1: R52_U_LED_BUFFER34.1 U4_U_LED_BUFFER34.7
NetR52_U_LED_BUFFER41_1: R52_U_LED_BUFFER41.1 U4_U_LED_BUFFER41.7
NetR52_U_LED_BUFFER42_1: R52_U_LED_BUFFER42.1 U4_U_LED_BUFFER42.7
NetR52_U_LED_BUFFER43_1: R52_U_LED_BUFFER43.1 U4_U_LED_BUFFER43.7
NetR52_U_LED_BUFFER44_1: R52_U_LED_BUFFER44.1 U4_U_LED_BUFFER44.7
NetR52_U_LED_BUFFER51_1: R52_U_LED_BUFFER51.1 U4_U_LED_BUFFER51.7
NetR52_U_LED_BUFFER52_1: R52_U_LED_BUFFER52.1 U4_U_LED_BUFFER52.7
NetR52_U_LED_BUFFER53_1: R52_U_LED_BUFFER53.1 U4_U_LED_BUFFER53.7
NetR52_U_LED_BUFFER54_1: R52_U_LED_BUFFER54.1 U4_U_LED_BUFFER54.7
NetR52_U_LED_BUFFER61_1: R52_U_LED_BUFFER61.1 U4_U_LED_BUFFER61.7
NetR52_U_LED_BUFFER62_1: R52_U_LED_BUFFER62.1 U4_U_LED_BUFFER62.7
NetR52_U_LED_BUFFER63_1: R52_U_LED_BUFFER63.1 U4_U_LED_BUFFER63.7
NetR52_U_LED_BUFFER64_1: R52_U_LED_BUFFER64.1 U4_U_LED_BUFFER64.7
NetR52_U_LED_BUFFER71_1: R52_U_LED_BUFFER71.1 U4_U_LED_BUFFER71.7
NetR52_U_LED_BUFFER72_1: R52_U_LED_BUFFER72.1 U4_U_LED_BUFFER72.7
NetR52_U_LED_BUFFER73_1: R52_U_LED_BUFFER73.1 U4_U_LED_BUFFER73.7
NetR52_U_LED_BUFFER74_1: R52_U_LED_BUFFER74.1 U4_U_LED_BUFFER74.7
NetR52_U_LED_BUFFER81_1: R52_U_LED_BUFFER81.1 U4_U_LED_BUFFER81.7
NetR52_U_LED_BUFFER82_1: R52_U_LED_BUFFER82.1 U4_U_LED_BUFFER82.7
NetR52_U_LED_BUFFER83_1: R52_U_LED_BUFFER83.1 U4_U_LED_BUFFER83.7
NetR52_U_LED_BUFFER84_1: R52_U_LED_BUFFER84.1 U4_U_LED_BUFFER84.7
NetR52_U_LED_BUFFER91_1: R52_U_LED_BUFFER91.1 U4_U_LED_BUFFER91.7
NetR52_U_LED_BUFFER92_1: R52_U_LED_BUFFER92.1 U4_U_LED_BUFFER92.7
NetR52_U_LED_BUFFER93_1: R52_U_LED_BUFFER93.1 U4_U_LED_BUFFER93.7
NetR52_U_LED_BUFFER94_1: R52_U_LED_BUFFER94.1 U4_U_LED_BUFFER94.7
NetR52_U_LED_BUFFER101_1: R52_U_LED_BUFFER101.1 U4_U_LED_BUFFER101.7
NetR52_U_LED_BUFFER102_1: R52_U_LED_BUFFER102.1 U4_U_LED_BUFFER102.7
NetR52_U_LED_BUFFER103_1: R52_U_LED_BUFFER103.1 U4_U_LED_BUFFER103.7
NetR52_U_LED_BUFFER104_1: R52_U_LED_BUFFER104.1 U4_U_LED_BUFFER104.7
NetR53_U_LED_BUFFER11_1: R53_U_LED_BUFFER11.1 U4_U_LED_BUFFER11.8
NetR53_U_LED_BUFFER12_1: R53_U_LED_BUFFER12.1 U4_U_LED_BUFFER12.8
NetR53_U_LED_BUFFER13_1: R53_U_LED_BUFFER13.1 U4_U_LED_BUFFER13.8